# Altium PCB SJ2096POE.PcbDoc (part 1 of 5) (continued)
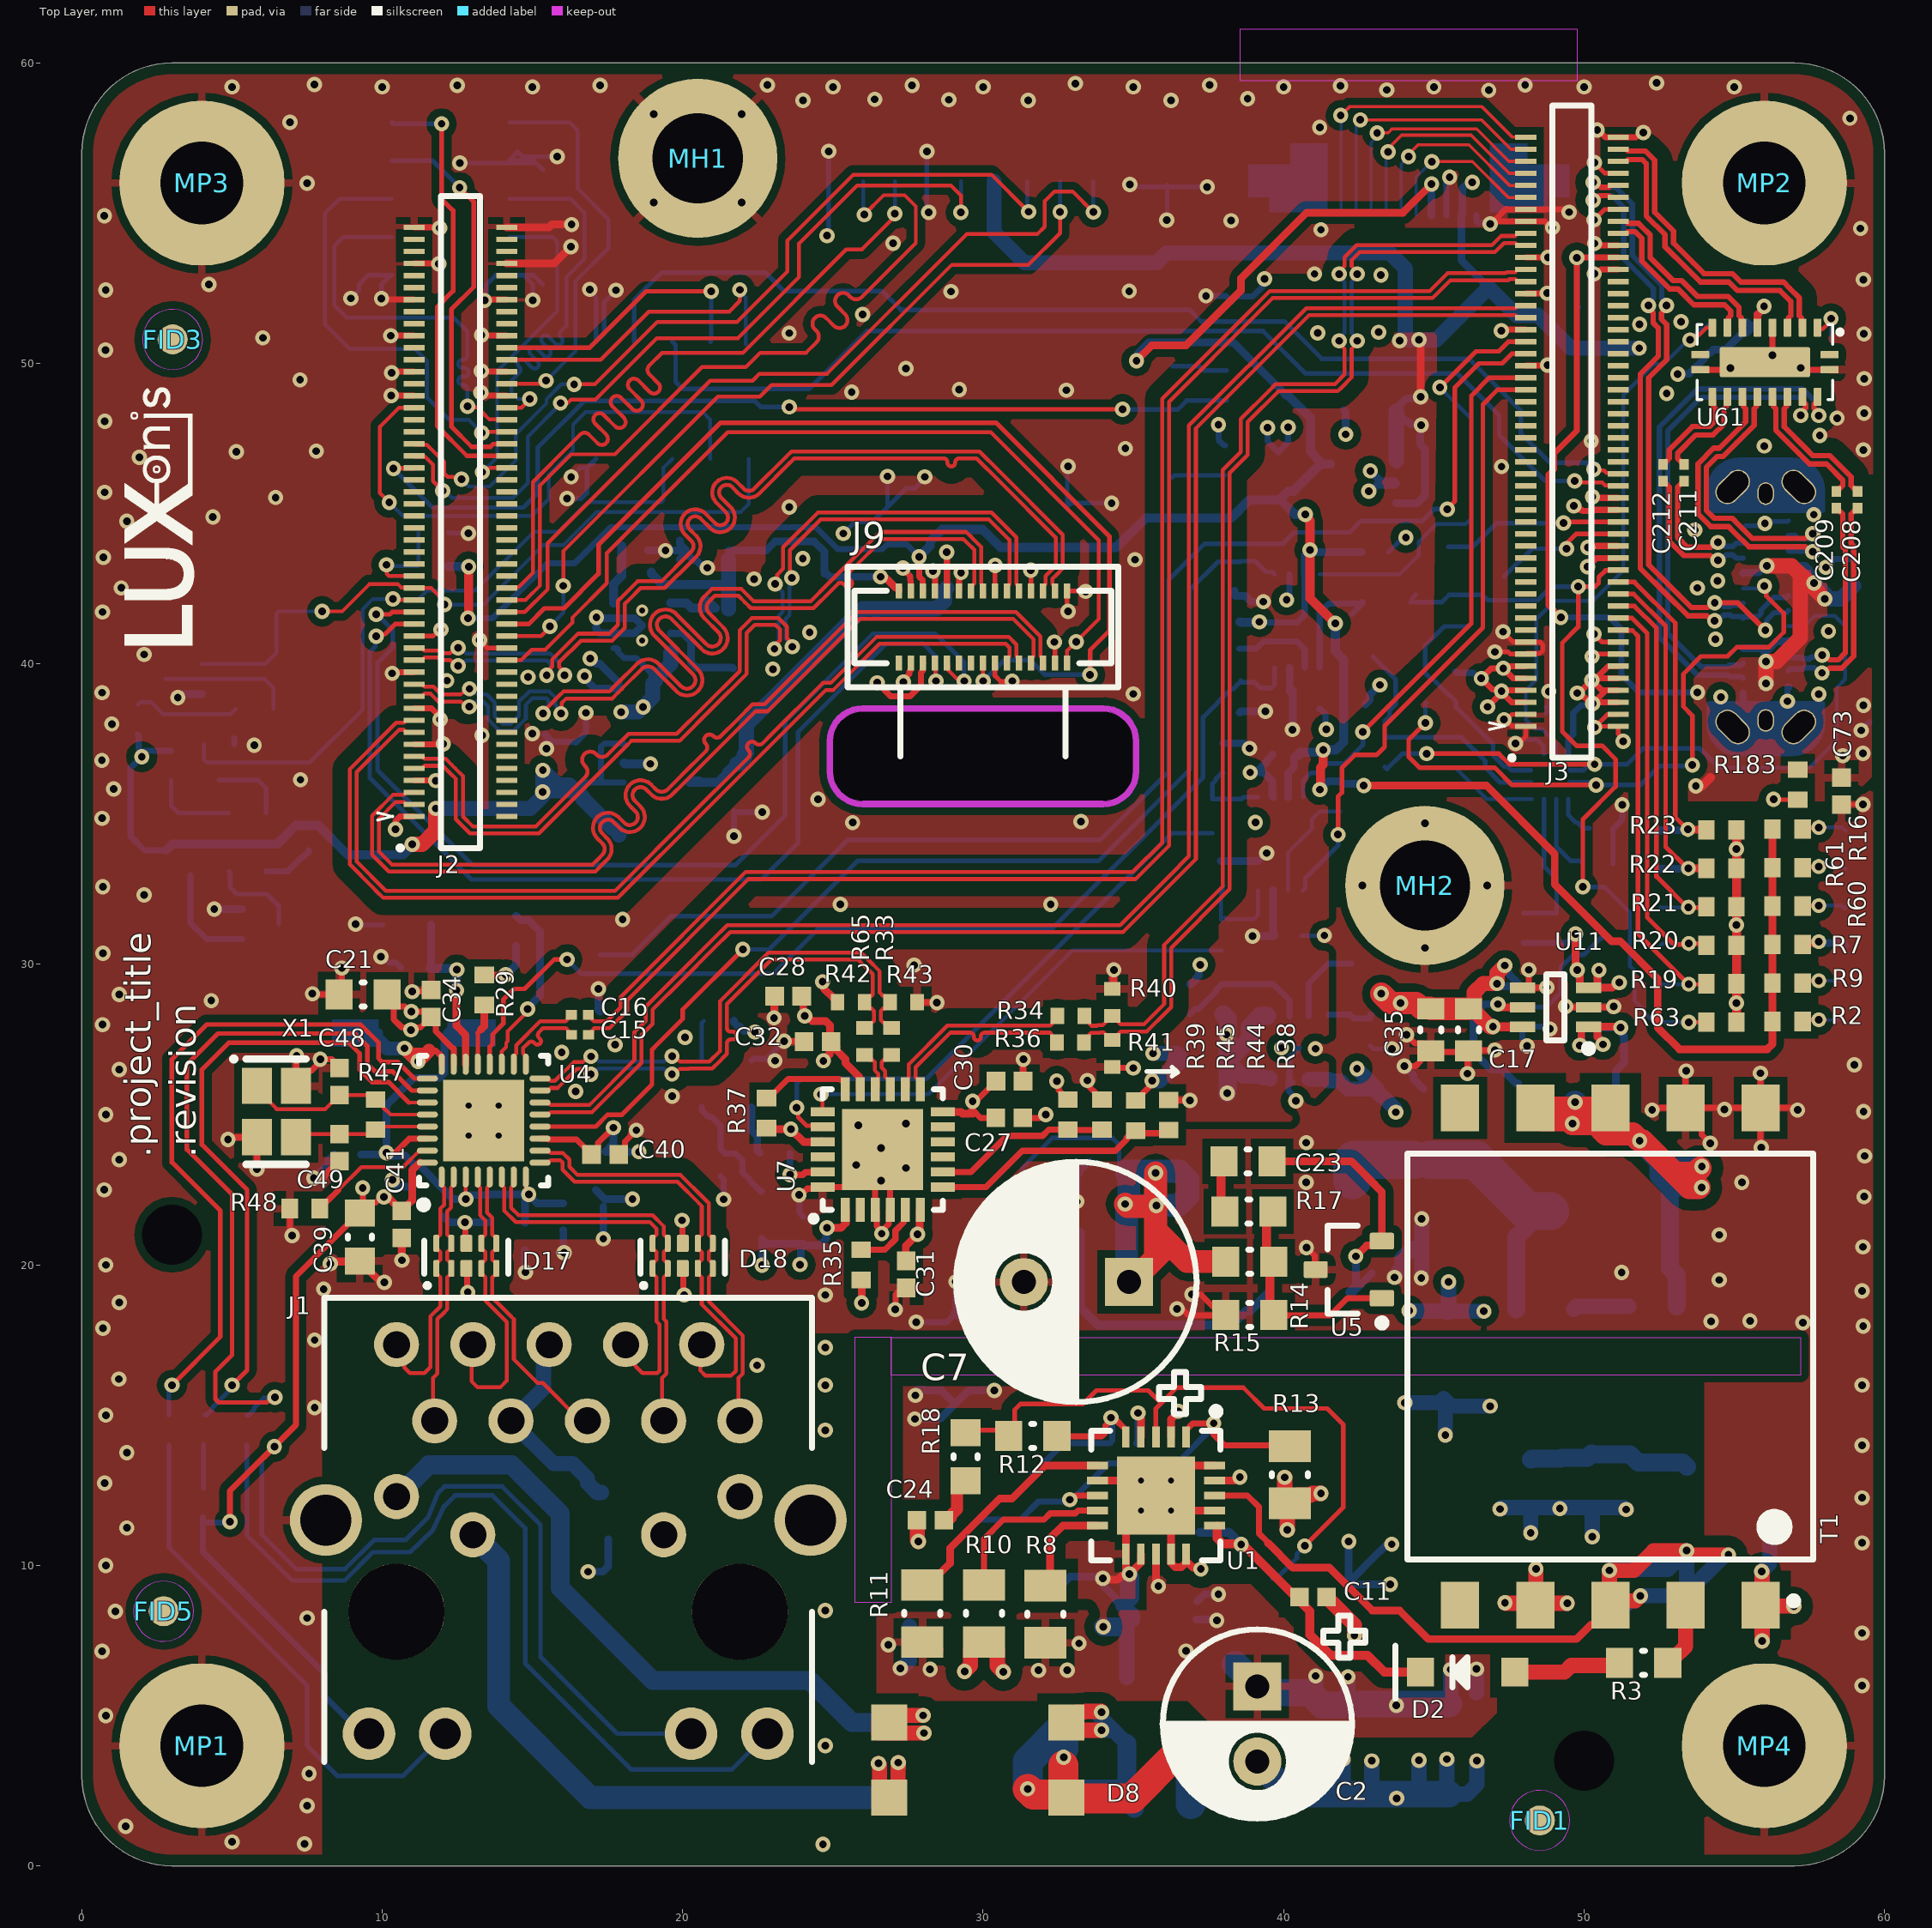
[diagram p0: Top Layer view]
## Components (designator, comment, footprint, x,y, rotation, side; value= is the part's Value field where it differs from the comment) (continued)
R7 "1K 0402" RESC0402(1005)_N 56.772,30.662 r180 top
R8 "88.7K 0805" RESC0805(2012)_N 32.075,8.375 r90 top
R9 "1K 0402" RESC0402(1005)_N 56.772,29.382 r180 top
R10 "48.7R 0805" RESC0805(2012)_N 30.025,8.4 r90 top
R11 "24.3k 0805" RESC0805(2012)_N 27.975,8.4 r90 top
R12 "4.99k 0603" RESC0603(1608)_N 31.655,14.305 r0 top
R13 "0.62R 0805" RESC0805(2012)_N 40.213,13.016 r270 top
R14 "36.5k 0603" RESC0603(1608)_N 38.876,20.11 r180 top
R15 "12.1k 0603" RESC0603(1608)_N 38.876,18.33 r0 top
R16 "1K 0402" RESC0402(1005)_N 56.772,34.502 r180 top
R17 "0R 0603" RESC0603(1608)_N 38.844,21.774 r180 top
R18 "0R 0603" RESC0603(1608)_N 29.412,13.62 r90 top
R19 "10K 0402" RESC0402(1005)_N 54.572,29.357 r0 top
R20 "10K 0402" RESC0402(1005)_N 54.572,30.637 r0 top
R21 "10K 0402" RESC0402(1005)_N 54.572,31.917 r0 top
R22 "10K 0402" RESC0402(1005)_N 54.572,33.197 r0 top
R23 "10K 0402" RESC0402(1005)_N 54.572,34.477 r0 top
R24 "2.05k 0603" RESC0603(1608)_N 34.028,21.153 r0 bottom
R25 "10K 0402" RESC0402(1005)_N 37.912,32.941 r270 bottom
R26 "10K 0402" RESC0402(1005)_N 37.989,36.871 r270 bottom
R27 "0R 0603" RESC0603(1608)_N 43.425,42.058 r180 bottom
R28 "10K 0402" RESC0402(1005)_N 14.454,31.116 r90 bottom
R29 "10K 0402" RESC0402(1005)_N 13.397,29.153 r270 top
R30 "10K 0402" RESC0402(1005)_N 21.206,28.125 r0 bottom
R31 "10K 0402" RESC0402(1005)_N 50.469,34.477 r0 bottom
R32 "10K 0402" RESC0402(1005)_N 50.469,33.344 r0 bottom
R33 "22R 0402" RESC0402(1005)_L 26.955,27.44 r270 top
R34 "22R 0402" RESC0402(1005)_L 32.919,28.288 r180 top
R35 "10K 0402" RESC0402(1005)_N 25.937,20.003 r90 top
R36 "22R 0402" RESC0402(1005)_L 32.907,27.403 r180 top
R37 "10K 0402" RESC0402(1005)_N 22.791,25.052 r90 top
R38 "10K 0402" RESC0402(1005)_N 36.177,24.991 r270 top
R39 "10K 0402" RESC0402(1005)_N 32.819,25.003 r270 top
R40 "49.9R 0402" RESC0402(1005)_L 34.294,28.738 r90 top
R41 "49.9R 0402" RESC0402(1005)_L 34.294,27.038 r90 top
R42 "49.9R 0402" RESC0402(1005)_L 25.605,28.74 r0 top
R43 "49.9R 0402" RESC0402(1005)_L 27.355,28.74 r180 top
R44 "10K 0402" RESC0402(1005)_N 35.075,24.971 r90 top
R45 "10K 0402" RESC0402(1005)_N 33.958,25.003 r90 top
R46 "10K 0402" RESC0402(1005)_N 38.199,42.876 r90 bottom
R47 "1M 0402" RESC0402(1005)_N 9.776,25.003 r270 top
R48 "2.49K 0402" RESC0402(1005)_N 7.425,21.875 r0 top
R49 "10K 0402" RESC0402(1005)_N 38.535,38.874 r90 bottom
R50 "10K 0402" RESC0402(1005)_N 38.554,40.896 r90 bottom
R53 "1K 0402" RESC0402(1005)_N 2.973,36.615 r90 bottom
R54 "1K 0402" RESC0402(1005)_N 3.62,33.463 r90 bottom
R55 "1K 0402" RESC0402(1005)_N 8.049,33.797 r0 bottom
R56 "1K 0402" RESC0402(1005)_N 1.864,38.145 r270 bottom
R57 "470R 0402" RESC0402(1005)_N 4.099,14.498 r270 bottom
R58 "470R 0402" RESC0402(1005)_N 5.492,14.498 r270 bottom
R59 "470R 0402" RESC0402(1005)_N 2.9,14.498 r270 bottom
R60 "1K 0402" RESC0402(1005)_N 56.772,31.942 r180 top
R61 "1K 0402" RESC0402(1005)_N 56.772,33.222 r180 top
R62 "10K 0402" RESC0402(1005)_N 11.7,44.375 r0 bottom
R63 "10K 0402" RESC0402(1005)_N 54.572,28.077 r0 top
R64 "22R 0402" RESC0402(1005)_N 23.062,23.728 r180 bottom
R65 "22R 0402" RESC0402(1005)_L 26.055,27.44 r270 top
R66 "0R 0402" RESC0402(1005)_N 38.099,49.267 r270 bottom
R67 "0R 0402" RESC0402(1005)_N 38.05,46.775 r270 bottom
R68 "121K 0402" RESC0402(1005)_N 37.989,28.838 r90 bottom
R69 "39.2k 0402" RESC0402(1005)_N 36.88,28.838 r90 bottom
R70 "53.6k 0402" RESC0402(1005)_L 18.401,42.925 r0 bottom
R71 "39.2k 0402" RESC0402(1005)_L 18.38,43.782 r180 bottom
R183 "10K 0402" RESC0402(1005)_N 57.114,35.981 r90 top
R185 "10K 0402" RESC0402(1005)_N 58.2,50.27 r270 bottom
R186 "10K 0402" RESC0402(1005)_N 54.189,50.842 r270 bottom
R187 "1.8MR 0402" RESC0402(1005)_N 49.09,31.209 r90 bottom
R190 "1.8MR 0402" RESC0402(1005)_N 48.018,31.21 r90 bottom
R213 "10K 0402" RESC0402(1005)_N 43.223,38.656 r180 bottom
R214 "10K 0402" RESC0402(1005)_N 45.209,39.749 r0 bottom
RZ1 "0R 0402" RESC0402(1005)_N 37.941,30.958 r270 bottom
RZ2 "0R 0402" RESC0402(1005)_N 37.634,34.9 r270 bottom
RZ28 "10K 0402" RESC0402(1005)_N 43.364,37.078 r270 bottom
RZ29 "10K 0402" RESC0402(1005)_N 45.239,38.701 r180 bottom
SW1 "A6H-6102 DIP SW" A6H-610x 55.627,31.267 r0 bottom locked
T1 "749119950" 749119950 50.875,16.95 r180 top locked
TP1 "TP100_200_NS" TP100_200_NS 47.35,42.914 r90 bottom
TP2 "TP100_200_NS" TP100_200_NS 45.481,43.902 r90 bottom
TP3 "TP100_200_NS" TP100_200_NS 51.055,25.587 r90 bottom
TP4 "TP100_200_NS" TP100_200_NS 1.625,34.7 r90 bottom
TP5 "TP100_200_NS" TP100_200_NS 27.55,7.975 r270 bottom
TP6 "TP100_200_NS" TP100_200_NS 31.3,22.525 r0 bottom
TP7 "TP100_200_NS" TP100_200_NS 50.621,8.281 r270 bottom
TP8 "TP100_200_NS" TP100_200_NS 37.214,11.104 r270 bottom
TP9 "TP100_200_NS" TP100_200_NS 6.025,50.85 r0 bottom
TP10 "TP100_200_NS" TP100_200_NS 29.926,11.525 r270 bottom
TP11 "TP100_200_NS" TP100_200_NS 31.526,13.022 r270 bottom
TP12 "TP100_200_NS" TP100_200_NS 56.175,11.025 r270 bottom
TP13 "TP100_200_NS" TP100_200_NS 31.559,9.475 r270 bottom
TP14 "TP100_200_NS" TP100_200_NS 42.141,29.907 r180 bottom
TP15 "TP100_200_NS" TP100_200_NS 18.07,34.297 r270 bottom
TP16 "TP100_200_NS" TP100_200_NS 40.075,48.95 r180 bottom
TP17 "TP100_200_NS" TP100_200_NS 26.441,41.783 r90 bottom
TP18 "TP100_200_NS" TP100_200_NS 24.714,43.002 r270 bottom
TP19 "TP100_200_NS" TP100_200_NS 47.736,25.938 r90 bottom
TP20 "TP100_200_NS" TP100_200_NS 51.427,39.527 r90 bottom
TP21 "TP100_200_NS" TP100_200_NS 50.628,31.042 r90 bottom
TP40 "TP100_200_NS" TP100_200_NS 49.8,51.875 r180 bottom
TP41 "TP100_200_NS" TP100_200_NS 51.307,48.951 r180 bottom
TP42 "TP100_200_NS" TP100_200_NS 45.713,36.551 r180 bottom
TP43 "TP100_200_NS" TP100_200_NS 46.155,41.25 r180 bottom
TP44 "TP100_200_NS" TP100_200_NS 42.977,40.238 r180 bottom
U1 "SI3404-A-GM" SI3404-A-GM 35.75,12.325 r270 top
U2 "VO618A-3X017T" VO618A-3X017T 40.9,14.325 r270 bottom
U3 "TXS0102DCU" TXS0102DCUR 39.9,34.016 r270 bottom
U4 "RTL8111HS-CG" RTL8111HX-CG 13.376,24.803 r90 top
U5 "TLV431" TLV431BCDBZR 42.17,19.845 r180 top
U6 "TXS0102DCU" TXS0102DCUR 40.45,41.428 r270 bottom
U7 "SI52142-A01AGM" SI52142-A01AGM 26.655,23.84 r90 top
U9 "TPS82130SIL" TPS82130SIL 40.514,27.231 r90 bottom
U10 "TLV70018DCK" TLV70018DCK 42.65,46 r270 bottom
U11 "1.5A ideal diode" LM66100DCKR 49.05,28.575 r180 top
U12 "1.5A ideal diode" LM66100DCKR 49.05,28.575 r180 bottom
U13 "TLV70028DCK" TLV70028DCK 19.142,36.707 r90 bottom
U14 "TLV62080DSG" TLV62080DSG 18.651,41.275 r0 bottom
U61 "USB Type-C Switch" HD3SS3212RKSR 56.019,50.042 r270 top
U62 "USB Type-C Port Control" TUSB321RWBR 48.871,36.259 r90 bottom
X1 "25MHz 18pF 2.50x2.00mm" ECS-250-18-36B-CKY-TR 6.476,25.103 r270 top

## Footprints (in the part's own frame and the unit in brackets; to place one, negate y for a bottom-side part, rotate by r counter-clockwise, add the part's x,y. Pads: shape width x height; smd on the part's side, far side on the other; paste and mask are expansions set on the pad)
1N4148W-7-F [mm] "SOD123, 2-Leads, Body 2.7x1.55mm, Height 1.45mm"
  rect 0.9x0.95 smd: 1(-1.575,0) 2(1.575,0)
  silkscreen extent -2.4,-0.87 0,0.87, body extent -1.35,-0.77 1.35,0.77, height 1.45
104031-0811 [mm] "10 (8 + 2) Position Card Connector Secure Digital - microSD™ Surface Mount, Right Angle Gold"
  rect 0.85x1.1 smd: 1(3.113,-5.412) 3(0.913,-5.412) 4(-0.188,-5.412) 5(-1.288,-5.412) 6(-2.387,-5.412) 7(-3.487,-5.412)
  rect 0.875x1.1 smd: 2(2.013,-5.412)
  rect 0.75x1.1 smd: 8(-4.537,-5.412)
  rect 1.2x1 smd: 9(5.748,0.738) 10(5.748,4.438)
  rect 1.9x1.35 smd: 11(2.248,5.413) 12(-3.722,5.413)
  rect 1.17x1.8 smd: 13(-5.747,-5.062)
  rect 1.55x1.35 smd: 14(5.573,-5.287)
  body extent -5.95,-5.65 6,5.75, height 1.44
20021121-00010T1LF [mm] "Connector Header Surface Mount 10 position 0.050\" (1.27mm)   Contact length: 0.120\" (3.05mm)"
  rect 0.76x2.4 smd: 1(-2.54,-1.95) 2(-2.54,1.95) 3(-1.27,-1.95) 4(-1.27,1.95) 5(0,-1.95) 6(0,1.95) 7(1.27,-1.95) 8(1.27,1.95) 9(2.54,-1.95) 10(2.54,1.95)
  body extent -3.18,-2.75 3.17,2.75, height 4.55
742792040 [mm] "Chip Inductor, 2-Leads, Body 2.0x1.2mm"
  rect 1x1 smd: 1(-1.1,0) 2(1.1,0)
  silkscreen extent -0.2,-0.6 0.2,0.6, body extent -1,-0.6 1,0.6, height 0.89
749119950 [mm] "SMD, 10-Leads, Body 13.5x14.0mm (max), Pitch 2.48mm, IPC Medium Density"
  rect 1.27x1.55 smd: 1(-5,8.275) 2(-2.5,8.275) 3(0,8.275) 4(2.5,8.275) 5(5,8.275) 6(5,-8.275) 7(2.5,-8.275) 8(0,-8.275) 9(-2.5,-8.275) 10(-5,-8.275)
  silkscreen extent -6.75,-6.75 6.75,8.25, body extent -6.75,-8.88 6.75,8.87, height 12.6
9774030243R#1 [mm] "STANDOFF_M2X0.4_3MM with no pad on bottom of PCB"
  round 5.3 hole 3 mask+0.05: 1(0,0)
  body extent -2.17,-2.17 2.18,2.17, height 3.05
9774030243R#2 [mm] "STANDOFF_M2X0.4_3MM with no pad on bottom of PCB"
  round 5.3 / inner round 2.7 / far side round 2.7 hole 3 mask+0.05: 1(0,0)
  body extent -2.17,-2.17 2.18,2.17, height 3.05
A6H-610x [mm] "DIP Sw, Std/SealTape Body 8.85x4.50mm, Pitch 1.27mm, IPC High Density"
  rect 1.25x0.76 smd: 1(-3.075,3.175) 2(-3.075,1.905) 3(-3.075,0.635) 4(-3.075,-0.635) 5(-3.075,-1.905) 6(-3.075,-3.175) 7(3.075,-3.175) 8(3.075,-1.905) 9(3.075,-0.635) 10(3.075,0.635) 11(3.075,1.905) 12(3.075,3.175)
  silkscreen extent -3.12,-4.55 2.02,4.55, body extent -3.35,-4.43 3.35,4.43, height 1.57
A12N02A-201_1.6mmbrd_MatedModule [mm] "connector: 24-5804-030-000-829+ (1.4mm height w/ module mated)"
  rect 0.22x0.5 smd mask+0.05: 1(-2.8,-1.2) 2(-2.4,-1.2) 3(-2,-1.2) 4(-1.6,-1.2) 5(-1.2,-1.2) 6(-0.8,-1.2) 7(-0.4,-1.2) 8(0,-1.2) 9(0.4,-1.2) 10(0.8,-1.2) 11(1.2,-1.2) 12(1.6,-1.2) 13(2,-1.2) 14(2.4,-1.2) 15(2.8,-1.2) 16(2.8,1.2) 17(2.4,1.2) 18(2,1.2) 19(1.6,1.2) 20(1.2,1.2) 21(0.8,1.2) 22(0.4,1.2) 23(0,1.2) 24(-0.4,1.2) 25(-0.8,1.2) 26(-1.2,1.2) 27(-1.6,1.2) 28(-2,1.2) 29(-2.4,1.2) 30(-2.8,1.2)
  Bottom Layer keep-out region: -4.999,16.237 4.999,16.237 4.999,6.239 -4.999,6.239
  Keep-Out Layer board cut-out: -5,4.8 -4.924,5.183 -4.707,5.507 -4.383,5.724 -4,5.8 -4,5.8 4,5.8 4.383,5.724 4.707,5.507 4.924,5.183 5,4.8 5,4.8 5,3.8 4.924,3.417 4.707,3.093 4.383,2.876 4,2.8 4,2.8 -4,2.8 -4.383,2.876 -4.707,3.093 -4.924,3.417 -5,3.8 -5,3.8
  Keep-Out Layer lines w0.2: 5.1,4.8 ccw(c4,4.8) 4,5.9 -4,5.9 ccw(c-4,4.8) -5.1,4.8 -5.1,3.8 ccw(c-4,3.8) -4,2.7 0,2.7 4,2.7 ccw(c4,3.8) 5.1,3.8 5.1,4.8
  silkscreen extent -4.5,-2 4.5,4.3, body extent -5,-2 5,16.24, height 6.18
ASDMB-25.000MHZ-LC-T [mm] "0.098\" L x 0.079\" W (2.50mm x 2.00mm)"
  rect 0.65x0.85 smd: 1(-0.825,-0.775) 2(0.825,-0.775) 3(0.825,0.775) 4(-0.825,0.775)
  silkscreen extent -1.53,-1.44 1.5,1, body extent -1.25,-1 1.25,1, height 0.86
BK1608HS800-T_N [mm] "Chip Inductor, 2-Leads, Body 1.60x0.80mm, IPC Medium Density"
  rect 0.92x0.98 smd: 1(-0.79,0) 2(0.79,0)
  body extent -0.88,-0.48 0.87,0.47, height 0.95
CAPC0201(0603)33_L [mm] "Chip Capacitor, Body 0.6x0.3mm, Height 0.33mm, IPC High Density"
  rect 0.36x0.32 smd: 1(-0.28,0) 2(0.28,0)
  body extent -0.32,-0.17 0.32,0.17, height 0.33
CAPC0402(1005)60_N [mm] "Chip Capacitor, Body 1.0x0.5mm, Height 0.6mm, IPC Medium Density"
  rect 0.62x0.62 smd: 1(-0.45,0) 2(0.45,0)
  body extent -0.55,-0.3 0.55,0.3, height 0.6
CAPC0402(1005)70_N [mm] "Chip Capacitor, Body 1.0x0.5mm, Height 0.7mm, IPC Medium Density"
  rect 0.62x0.62 smd: 1(-0.45,0) 2(0.45,0)
  body extent -0.55,-0.3 0.55,0.3, height 0.7
CAPC0603(1608)100_L [mm] "Chip Capacitor, Body 1.6x0.8mm, Height 1.0mm, IPC High Density"
  rect 0.7x0.9 smd: 1(-0.7,0) 2(0.7,0)
  silkscreen extent -0.05,-0.35 0.05,0.35, body extent -0.87,-0.47 0.88,0.48, height 1
CAPC0603(1608)100_N [mm] "Chip Capacitor, Body 1.6x0.8mm, Height 1.0mm, IPC Medium Density"
  rect 0.9x1 smd: 1(-0.8,0) 2(0.8,0)
  silkscreen extent -0.05,-0.4 0.05,0.4, body extent -0.87,-0.48 0.88,0.47, height 1
CAPC0805(2012)145_N [mm] "Chip Capacitor, Body 2.0x1.2mm, Height 1.45mm, IPC Medium Density"
  rect 1.15x1.45 smd: 1(-0.9,0) 2(0.9,0)
  silkscreen extent -0.05,-0.62 0.05,0.63, body extent -1.1,-0.72 1.1,0.73, height 1.45
CAPC1206(3216)190_N [mm] "Chip Capacitor, Body 3.2x1.6mm, Height 1.9mm, IPC Medium Density"
  rect 1.15x1.8 smd: 1(-1.5,0) 2(1.5,0)
  silkscreen extent -0.55,-0.8 0.55,0.8, body extent -1.7,-0.9 1.7,0.9, height 1.9
CAPC1210(3225)280_N [mm] "Chip Capacitor, Body 3.2x2.5mm, Height 2.8mm, IPC Medium Density"
  rect 1.15x2.7 smd: 1(-1.5,0) 2(1.5,0)
  silkscreen extent -0.55,-1.25 0.55,1.25, body extent -1.7,-1.4 1.7,1.4, height 2.8
CD-H01 [mm] "2 mm SMD Trimming Potentiometer  Specifications are subject to change without notice.  Users should verify actual device performance in their specific applications.  The products described herein and this document are subject to specific legal disclaimers as set forth on the last page of this document, and at www.bourns.com/docs/legal/disclaimer.pdf.  CD-HD0x Series Surface Mount Schottky Bridge Rectifier Diode"
  rect 1.2x1.2 smd: 1(1.25,2.95) 2(1.25,-2.95) 3(-1.25,-2.95) 4(-1.25,2.95)
  body extent -2.38,-3.08 2.37,3.08, height 1.14
CX80B1-24P [mm] "USB C Vertical"
  rect 0.3x0.75 smd: A1(-2.625,0.755) A2(-2.125,0.755) A3(-1.625,0.755) A4(-1.125,0.755) A5(-0.625,0.755) A6(-0.125,0.755) A7(0.375,0.755) A8(0.875,0.755) A9(1.375,0.755) A10(1.875,0.755) A11(2.375,0.755) A12(2.875,0.755) B1(2.625,-0.755) B2(2.125,-0.755) B3(1.625,-0.755) B4(1.125,-0.755) B5(0.625,-0.755) B6(0.125,-0.755) B7(-0.375,-0.755) B8(-0.875,-0.755) B9(-1.375,-0.755) B10(-1.875,-0.755) B11(-2.375,-0.755) B12(-2.875,-0.755)
  oval 1.3x0.8 hole 0.7 slot 1.2 at 135 deg rot 135: CASE(-3.995,-1.1) CASE(3.995,1.1)
  oval 1.3x0.8 hole 0.7 slot 1.2 at 45 deg rot 45: CASE(-3.995,1.1) CASE(3.995,-1.1)
  oval 0.75x0.55 hole 0.45 slot 0.65 at 0 deg: CASE(-3.775,0) CASE(3.775,0)
  Top Layer region: -3.875,-1.875 -4.258,-1.799 -4.582,-1.582 -4.799,-1.258 -4.875,-0.875 -4.875,-0.875 -4.875,0.875 -4.799,1.258 -4.582,1.582 -4.258,1.799 -3.875,1.875 -3.875,1.875 -3.225,1.875 -3.225,-1.875
  Top Layer region: 3.875,-1.875 4.257,-1.799 4.582,-1.582 4.799,-1.257 4.875,-0.875 4.875,-0.875 4.875,0.875 4.799,1.258 4.582,1.582 4.257,1.799 3.875,1.875 3.875,1.875 3.225,1.875 3.225,-1.875
  Top Layer lines w0.2: -3.875,-1.875 cw(c-3.875,-0.875) -4.875,-0.875 -4.875,0.875 cw(c-3.875,0.875) -3.875,1.875 -3.225,1.875 -3.225,1.764 -3.225,0.725 -3.225,-0.714 -3.225,-0.755 -3.225,-1.875 -3.875,-1.875 ; 3.225,-1.875 3.225,-0.045 3.225,1.455 3.225,1.603 3.225,1.875 3.875,1.875 cw(c3.875,0.875) 4.875,0.875 4.875,-0.875 cw(c3.875,-0.875) 3.875,-1.875 3.225,-1.875
  body extent -5.5,-3.47 5.5,3.53, height 7.2
DDTC114YCA-7-F [mm] "TO-236-3, SC-59, SOT-23-3"
  rect 0.8x0.9 smd: 1(-0.95,-1) 2(0.95,-1) 3(0,1)
  silkscreen extent -1.46,0 1.46,0.69, body extent -1.5,-1.1 1.5,1.1, height 1.1
DF40HC-3.0-100DS-0.4V_minpad [mm] "3.0MM MATED HEIGHT CONN HDR 100POS 0.4MM SMD GOLD"
  rect 0.7x0.18 smd: 1(1.54,9.8) 2(-1.54,9.8) 3(1.54,9.4) 4(-1.54,9.4) 5(1.54,9) 6(-1.54,9) 7(1.54,8.6) 8(-1.54,8.6) 9(1.54,8.2) 10(-1.54,8.2) 11(1.54,7.8) 12(-1.54,7.8) 13(1.54,7.4) 14(-1.54,7.4) 15(1.54,7) 16(-1.54,7) 17(1.54,6.6) 18(-1.54,6.6) 19(1.54,6.2) 20(-1.54,6.2) 21(1.54,5.8) 22(-1.54,5.8) 23(1.54,5.4) 24(-1.54,5.4) 25(1.54,5) 26(-1.54,5) 27(1.54,4.6) 28(-1.54,4.6) 29(1.54,4.2) 30(-1.54,4.2) 31(1.54,3.8) 32(-1.54,3.8) 33(1.54,3.4) 34(-1.54,3.4) 35(1.54,3) 36(-1.54,3) 37(1.54,2.6) 38(-1.54,2.6) 39(1.54,2.2) 40(-1.54,2.2) 41(1.54,1.8) 42(-1.54,1.8) 43(1.54,1.4) 44(-1.54,1.4) 45(1.54,1) 46(-1.54,1) 47(1.54,0.6) 48(-1.54,0.6) 49(1.54,0.2) 50(-1.54,0.2) 51(1.54,-0.2) 52(-1.54,-0.2) 53(1.54,-0.6) 54(-1.54,-0.6) 55(1.54,-1) 56(-1.54,-1) 57(1.54,-1.4) 58(-1.54,-1.4) 59(1.54,-1.8) 60(-1.54,-1.8) 61(1.54,-2.2) 62(-1.54,-2.2) 63(1.54,-2.6) 64(-1.54,-2.6) 65(1.54,-3) 66(-1.54,-3) 67(1.54,-3.4) 68(-1.54,-3.4) 69(1.54,-3.8) 70(-1.54,-3.8) 71(1.54,-4.2) 72(-1.54,-4.2) 73(1.54,-4.6) 74(-1.54,-4.6) 75(1.54,-5) 76(-1.54,-5) 77(1.54,-5.4) 78(-1.54,-5.4) 79(1.54,-5.8) 80(-1.54,-5.8) 81(1.54,-6.2) 82(-1.54,-6.2) 83(1.54,-6.6) 84(-1.54,-6.6) 85(1.54,-7) 86(-1.54,-7) 87(1.54,-7.4) 88(-1.54,-7.4) 89(1.54,-7.8) 90(-1.54,-7.8) 91(1.54,-8.2) 92(-1.54,-8.2) 93(1.54,-8.6) 94(-1.54,-8.6) 95(1.54,-9) 96(-1.54,-9) 97(1.54,-9.4) 98(-1.54,-9.4) 99(1.54,-9.8) 100(-1.54,-9.8)
  silkscreen extent -0.65,-10.85 2.75,10.88, body extent -1.69,-11.31 1.69,11.29, height 2.85
DFE252012P-1R0M=P2 [mm] "Chip Inductor, 2-Leads, Body 2.40x2.00mm, IPC High Density"
  rect 0.8x2 smd: 1(-1,0) 2(1,0)
  silkscreen extent -0.05,-0.9 0.05,0.9, body extent -1.25,-1.1 1.25,1.1, height 1.2
DO1608C-102MLX [mm] "Coil inductor 6.6x4.45mm"
  rect 1.4x3.56 smd: 1(-2.73,0) 2(2.73,0)
  silkscreen extent -2.01,-2.22 2.01,2.22, body extent -3.3,-2.22 3.3,2.23, height 2.92
DTSM-32N-V [mm] "tactile button 160gf"
  rect 2x1.5 smd: 1(-2.7,0) 2(2.7,0)
  silkscreen extent -3.01,-1.76 3,1.75, body extent -3.65,-1.75 3.65,1.75, height 5
ECA-0JM102 [mm] "Body diameter: 8mm, lead pitch: 3.5mm"
  rect 1.6x1.6 / inner round 1.6 / far side rect 1.6x1.6 hole 0.8 mask+0.05: 1(-1.75,0)
  round 1.6 hole 0.8 mask+0.05: 2(1.75,0)
  silkscreen extent -4.15,-4 4,4.4, body extent -4,-4 4,4, height 12.5
ECS-250-18-36B-CKY-TR [mm] "2.5x2.0mm ceramic SMD"
  rect 1.2x1 smd: 1(-0.85,-0.65) 2(0.85,-0.65) 3(0.85,0.65) 4(-0.85,0.65)
  silkscreen extent -1.77,-1.44 1.75,0.99, body extent -1.3,-1.05 1.3,1.05, height 0.6
EEU-FC2A120 [mm] "Body diameter: 6.3mm, lead pitch: 2.5mm"
  rect 1.6x1.6 / inner round 1.6 / far side rect 1.6x1.6 hole 0.8 mask+0.05: 1(-1.25,0)
  round 1.6 hole 0.8 mask+0.05: 2(1.25,0)
  silkscreen extent -3.6,-3.15 3.15,3.6, body extent -3.15,-3.15 3.15,3.15, height 12
FIDUCIAL_ROUND_1MM [mm] "Round, 1mm dia"
  round 1 smd paste-1 mask+0.5: 1(0,0)
  Top Layer keep-out circle w0.025: c0,0 r1
HD3SS3212RKSR [mm] "VQFN-20"
  rrect20% 0.25x0.6 smd mask+0.07: 1(-0.25,2.15) 10(-0.25,-2.15) 11(0.25,-2.15) 20(0.25,2.15)
  rrect20% 0.6x0.25 smd mask+0.07: 2(-1.15,1.75) 3(-1.15,1.25) 4(-1.15,0.75) 5(-1.15,0.25) 6(-1.15,-0.25) 7(-1.15,-0.75) 8(-1.15,-1.25) 9(-1.15,-1.75) 12(1.15,-1.75) 13(1.15,-1.25) 14(1.15,-0.75) 15(1.15,-0.25) 16(1.15,0.25) 17(1.15,0.75) 18(1.15,1.25) 19(1.15,1.75)
  rrect10% 1x3 smd paste-3 mask+0.07: 21(0,0)
  silkscreen extent -1.25,-2.25 1.25,2.53, body extent -1.25,-2.25 1.25,2.25, height 1
LM66100DCKR [mm] "SOT23, 6-Leads, Body 2.00x2.10mm, Pitch 0.65mm, IPC Medium Density"
  rect 0.85x0.35 smd: 1(-1.1,0.65) 2(-1.1,0) 3(-1.1,-0.65) 4(1.1,-0.65) 5(1.1,0) 6(1.1,0.65)
  silkscreen extent -1.23,-1.1 0.3,1.5, body extent -1.2,-1.08 1.2,1.07, height 1.1
LQH32NH2R2J23L [mm] "inductor 3.20mm x 2.50mm x 2.2mm"
  rect 1x2 smd: 1(-1.15,0) 2(1.15,0)
  Top Layer region: -1.15,-0.45 -2.7,-0.45 -2.7,0.45 -1.15,0.45
  Top Layer region: 1.15,0.45 2.75,0.45 2.75,-0.45 1.15,-0.45
  body extent -1.6,-1.25 1.6,1.25, height 1.55
MOUNTING_HOLE_M2.5 [mm] "2.7mm dia hole, 5.5mm dia ring"
  round 5.5 / inner round 3 / far side round 5.5 hole 2.75: 1(0,0)
PDS1040-13 [mm] "Powerdi5 Diodes"
  rect 4.86x3.36 smd: 1(-1.126,0)
  rect 1.4x1.39 smd: 2(2.856,-0.92) 2(2.856,0.92)
  silkscreen extent -3.9,-1.68 -3.9,1.68, body extent -3.25,-1.98 3.25,1.99, height 1.12
RE1C002UNTCL [mm] "ROHM SOT-416FL"
  rect 0.3x0.71 smd: 1(-0.5,-0.61) 2(0.5,-0.61) 3(0,0.61)
  silkscreen extent -0.85,0.18 0.85,0.48, body extent -0.8,-0.8 0.8,0.8, height 0.75
RESC0402(1005)_L [mm] "Chip Resistor, Body 1.0x0.5mm, IPC High Density"
  rect 0.45x0.55 smd: 1(-0.45,0) 2(0.45,0)
  body extent -0.52,-0.27 0.53,0.28, height 0.4
RESC0402(1005)_N [mm] "Chip Resistor, Body 1.0x0.5mm, IPC Medium Density"
  rect 0.55x0.65 smd: 1(-0.5,0) 2(0.5,0)
  body extent -0.52,-0.27 0.53,0.28, height 0.4
RESC0603(1608)_N [mm] "Chip Resistor, Body 1.6x0.8mm, IPC Medium Density"
  rect 0.9x1 smd: 1(-0.8,0) 2(0.8,0)
  silkscreen extent -0.05,-0.4 0.05,0.4, body extent -0.85,-0.47 0.85,0.47, height 0.6
RESC0805(2012)_N [mm] "Chip Resistor, Body 2.0x1.3mm, IPC Medium Density"
  rect 1.05x1.4 smd: 1(-0.95,0) 2(0.95,0)
  silkscreen extent -0.05,-0.6 0.05,0.6, body extent -1.1,-0.67 1.1,0.68, height 0.7
RS1B [mil] "Molded Diode, 2-Leads, Body 4.30x2.59mm, IPC Medium Density"
  rect 70x85 smd: 1(-80,0) 2(80,0)
  silkscreen extent -130,-59 91,59, body extent -102,-54 102,54, height 106
RTL8111HX-CG [mm] "QFN, 32-Leads, Body 4.00x4.00mm, Pitch 0.40mm, Thermal Pad 2.70x2.70mm, IPC High Density"
  oval 0.7x0.2 smd mask+0.076: 1(-1.875,1.4) 2(-1.875,1) 3(-1.875,0.6) 4(-1.875,0.2) 5(-1.875,-0.2) 6(-1.875,-0.6) 7(-1.875,-1) 8(-1.875,-1.4) 17(1.875,-1.4) 18(1.875,-1) 19(1.875,-0.6) 20(1.875,-0.2) 21(1.875,0.2) 22(1.875,0.6) 23(1.875,1) 24(1.875,1.4)
  oval 0.2x0.7 smd mask+0.076: 9(-1.4,-1.875) 10(-1,-1.875) 11(-0.6,-1.875) 12(-0.2,-1.875) 13(0.2,-1.875) 14(0.6,-1.875) 15(1,-1.875) 16(1.4,-1.875) 25(1.4,1.875) 26(1,1.875) 27(0.6,1.875) 28(0.2,1.875) 29(-0.2,1.875) 30(-0.6,1.875) 31(-1,1.875) 32(-1.4,1.875)
  rect 2.7x2.7 smd paste-2 mask+0.076: 33(0,0)
  silkscreen extent -2.92,-2.15 2.15,2.15, body extent -2,-2 2,2, height 0.9
SFV10R-2STE1HLF [mm] "CONN FFC TOP 10POS 0.50MM R/A"
  rect 0.305x1.405 smd: 1(-2.258,0.494) 1(-2.258,0.494) 2(-1.759,0.494) 3(-1.258,0.494) 4(-0.758,0.494) 5(-0.258,0.494) 6(0.242,0.494) 7(0.741,0.494) 8(1.242,0.494) 9(1.742,0.494) 10(2.242,0.494)
  rect 1x1 smd: 11(-3.707,-0.486) 12(3.708,-0.494)
  Top Layer region: -3.958,0.394 -2.708,0.394 -2.708,-1.906 -3.958,-1.906
  Top Layer region: -5.358,-0.105 -2.708,-0.105 -2.708,-1.205 -5.358,-1.205
  Top Layer region: -4.658,0.394 -2.708,0.394 -2.708,-1.206 -4.658,-1.206
  Top Layer region: 4.641,-1.205 2.691,-1.205 2.691,0.395 4.641,0.395
  Top Layer region: 5.341,-1.205 2.691,-1.205 2.691,-0.105 5.341,-0.105
  Top Layer region: 3.942,-1.906 2.692,-1.906 2.692,0.394 3.942,0.394
  Keep-Out Layer region: 5.594,-5.708 5.594,-3.973 -5.611,-3.973 -5.611,-5.708
  body extent -5.26,-4.01 5.24,0.89, height 1.82
SI3404-A-GM [mm] "QFN, 20-Leads, Body 4.00x4.00mm, Pitch 0.50mm, Thermal Pad 2.60x2.60mm, IPC Medium Density"
  rect 0.7x0.25 smd: 1(-1.95,1) 2(-1.95,0.5) 3(-1.95,0) 4(-1.95,-0.5) 5(-1.95,-1) 11(1.95,-1) 12(1.95,-0.5) 13(1.95,0) 14(1.95,0.5) 15(1.95,1)
  rect 0.25x0.7 smd: 6(-1,-1.95) 7(-0.5,-1.95) 8(0,-1.95) 9(0.5,-1.95) 10(1,-1.95) 16(1,1.95) 17(0.5,1.95) 18(0,1.95) 19(-0.5,1.95) 20(-1,1.95)
  rect 2.6x2.6 smd paste-5: 21(0,0)
  silkscreen extent -2.92,-2.15 2.15,2.15, body extent -2,-2 2,2, height 0.9
SI52142-A01AGM [mm] "24-QFN (4x4)"
  rect 0.8x0.3 smd paste-0.025 mask+0.05: 1(-2,1.25) 2(-2,0.75) 3(-2,0.25) 4(-2,-0.25) 5(-2,-0.75) 6(-2,-1.25) 13(2,-1.25) 14(2,-0.75) 15(2,-0.25) 16(2,0.25) 17(2,0.75) 18(2,1.25)
  rect 0.3x0.8 smd paste-0.025 mask+0.05: 7(-1.25,-2) 8(-0.75,-2) 9(-0.25,-2) 10(0.25,-2) 11(0.75,-2) 12(1.25,-2) 19(1.25,2) 20(0.75,2) 21(0.25,2) 22(-0.25,2) 23(-0.75,2) 24(-1.25,2)
  rect 2.7x2.7 smd paste-3 mask+0.05: 25(0,0)
  silkscreen extent -2.4,-2 2,2.4, body extent -2,-2 2,2, height 1
SML_D1xx8W [mm] "Rohm LED SML_D1 series - Chip Diode, 2-Leads, Body 1.60x0.80mm, IPC High Density"
  rect 0.8x0.8 smd: 1(-0.625,0) 2(0.625,0)
  silkscreen extent -1.3,-0.5 -1.3,0.5, body extent -0.8,-0.4 0.8,0.4, height 0.6
TLV431BCDBZR [mm] "SOT-23-3"
  rrect18% 0.8x0.55 smd: 1(-1.1,0.95) 2(-1.1,-0.95) 3(1.1,0)
  silkscreen extent -1.23,-1.46 0.7,1.9, body extent -1.26,-1.46 1.26,1.46, height 0.96
TLV62080DSG [mm] "WSON-8, 2.1mm x 2.1mm x 0.8mm"
  rect 0.5x0.28 smd mask+0.102: 1(-0.95,0.75) 2(-0.95,0.25) 3(-0.95,-0.25) 4(-0.95,-0.75) 5(0.95,-0.75) 6(0.95,-0.25) 7(0.95,0.25) 8(0.95,0.75)
  rect 0.9x1.6 smd mask+0.102: 9(0,0)
  silkscreen extent -1.4,1.07 -1.35,1.13, body extent -1.05,-1.05 1.05,1.05, height 0.8
TLV70018DCK [mm] "SC70-5 1.1mm"
  rect 0.4x0.9 smd paste-0.025 mask+0.05: 1(-0.65,-1.1) 2(0,-1.1) 3(0.65,-1.1) 4(0.65,1.1) 5(-0.65,1.1)
  silkscreen extent -1.17,-1.63 -1.12,-1.57, body extent -1.1,-1.2 1.1,1.2, height 1.1
TLV70028DCK [mm] "SC70-5 1.1mm"
  rect 0.4x0.9 smd paste-0.025 mask+0.05: 1(-0.65,-1.1) 2(0,-1.1) 3(0.65,-1.1) 4(0.65,1.1) 5(-0.65,1.1)
  silkscreen extent -1.17,-1.63 -1.12,-1.57, body extent -1.1,-1.2 1.1,1.2, height 1.1
TP100_200_NS [mm] "1mm dia pad, 2mm dia clearance, no silk screen"
  round 1 smd paste-2: 1(0,0)
TPD4E02B04DQAR [mm] "TPD4E02B04DQAR"
  rrect50% 0.2x0.565 smd mask+0.07: 1(-1,-0.417) 2(-0.5,-0.417) 4(0.5,-0.417) 5(1,-0.417) 6(1,0.417) 7(0.5,0.417) 9(-0.5,0.417) 10(-1,0.417)
  rrect25% 0.4x0.565 smd mask+0.07: 3(0,-0.417) 8(0,0.417)
  silkscreen extent -1.4,-1.01 1.4,0.5, body extent -1.2,-0.71 1.2,0.71, height 0.55
TPS82130SIL [mm] "Non-Isolated PoL Module DC DC Converter 1 Output 0.9 ~ 5V    3A 3V - 17V Input"
  rrect10% 0.6x0.5 smd paste-0.05 mask-0.05: 1(-1.05,0.975) 2(-1.05,0.325) 3(-1.05,-0.325) 4(-1.05,-0.975) 5(1.05,-0.975) 6(1.05,-0.325) 7(1.05,0.325) 8(1.05,0.975)
  rrect10% 1.2x2 smd paste-2 mask-0.05: 9(0,0)
  silkscreen extent -1.82,-1.5 1.4,1.5, body extent -1.4,-1.5 1.4,1.5, height 1.55
TRJG0926HENL [mm] "TRXCOM TRJG0926HENL 1000BASE-T PoE"
  round 1.5 hole 0.9: 1(-5.715,8.89) 2(-4.445,6.35) 3(-3.175,8.89) 4(-1.905,6.35) 5(-0.635,8.89) 6(0.635,6.35) 7(1.905,8.89) 8(3.175,6.35) 9(4.445,8.89) 10(5.715,6.35) 11(-5.715,3.83) 12(-3.175,2.56) 13(3.175,2.56) 14(5.715,3.83)
  round 1.75 hole 1.02: 15(-6.63,-4.06) 16(-4.09,-4.06) 17(4.09,-4.06) 18(6.63,-4.06)
  round 2.4 hole 1.7: 19(8.064,3.05) 20(-8.064,3.05)
  round 3.2 hole 3.2: ""(-5.715,0) ""(5.715,0)
  silkscreen extent -8.11,-5 8.11,10.45, body extent -8.11,-10.8 8.12,10.45, height 13.65
TUSB321RWBR [mm] "X2QFN-12 1.6x1.6"
  rrect50% 0.2x0.7 smd mask+0.05: 1(0.2,0.65) 2(-0.2,0.65) 7(-0.2,-0.65) 8(0.2,-0.65)
  rrect50% 0.5x0.2 smd mask+0.05: 3(-0.75,0.6) 4(-0.75,0.2) 5(-0.75,-0.2) 6(-0.75,-0.6) 9(0.75,-0.6) 10(0.75,-0.2) 11(0.75,0.2) 12(0.75,0.6)
  silkscreen extent 0.57,0.97 0.63,1.03, body extent -0.8,-0.8 0.8,0.8, height 0.4
TXS0102DCUR [mm] "TSSOP, 8-Leads, Body 2.00x2.30mm, Pitch 0.50mm"
  rect 0.8x0.3 smd mask+0.05: 1(-1.55,0.75) 2(-1.55,0.25) 3(-1.55,-0.25) 4(-1.55,-0.75) 5(1.55,-0.75) 6(1.55,-0.25) 7(1.55,0.25) 8(1.55,0.75)
  silkscreen extent -1.7,-1.05 0.8,1.55, body extent -1.55,-1.05 1.55,1.05, height 0.9
VO618A-3X017T [mm] "4-SMD, Gull Wing"
  rect 1.52x1.78 smd: 1(-4.76,1.27) 2(-4.76,-1.27) 3(4.76,-1.27) 4(4.76,1.27)
  silkscreen extent -5.9,-2.29 2.8,2.7, body extent -5.08,-2.29 5.08,2.29, height 3.75